# Altium PCB Copy of Card вариант 10.0_04_18_RUSST.PcbDoc
Units mm, origin at the board's own origin, x right, y up, seen from the top; angles counter-clockwise.
Board outline 105 x 55 mm, 2 copper layers (Top Layer, Bottom Layer); 41 components, 24 nets, 233 pads, 51 vias.
Unrouted connection lines stored in the file: 1.
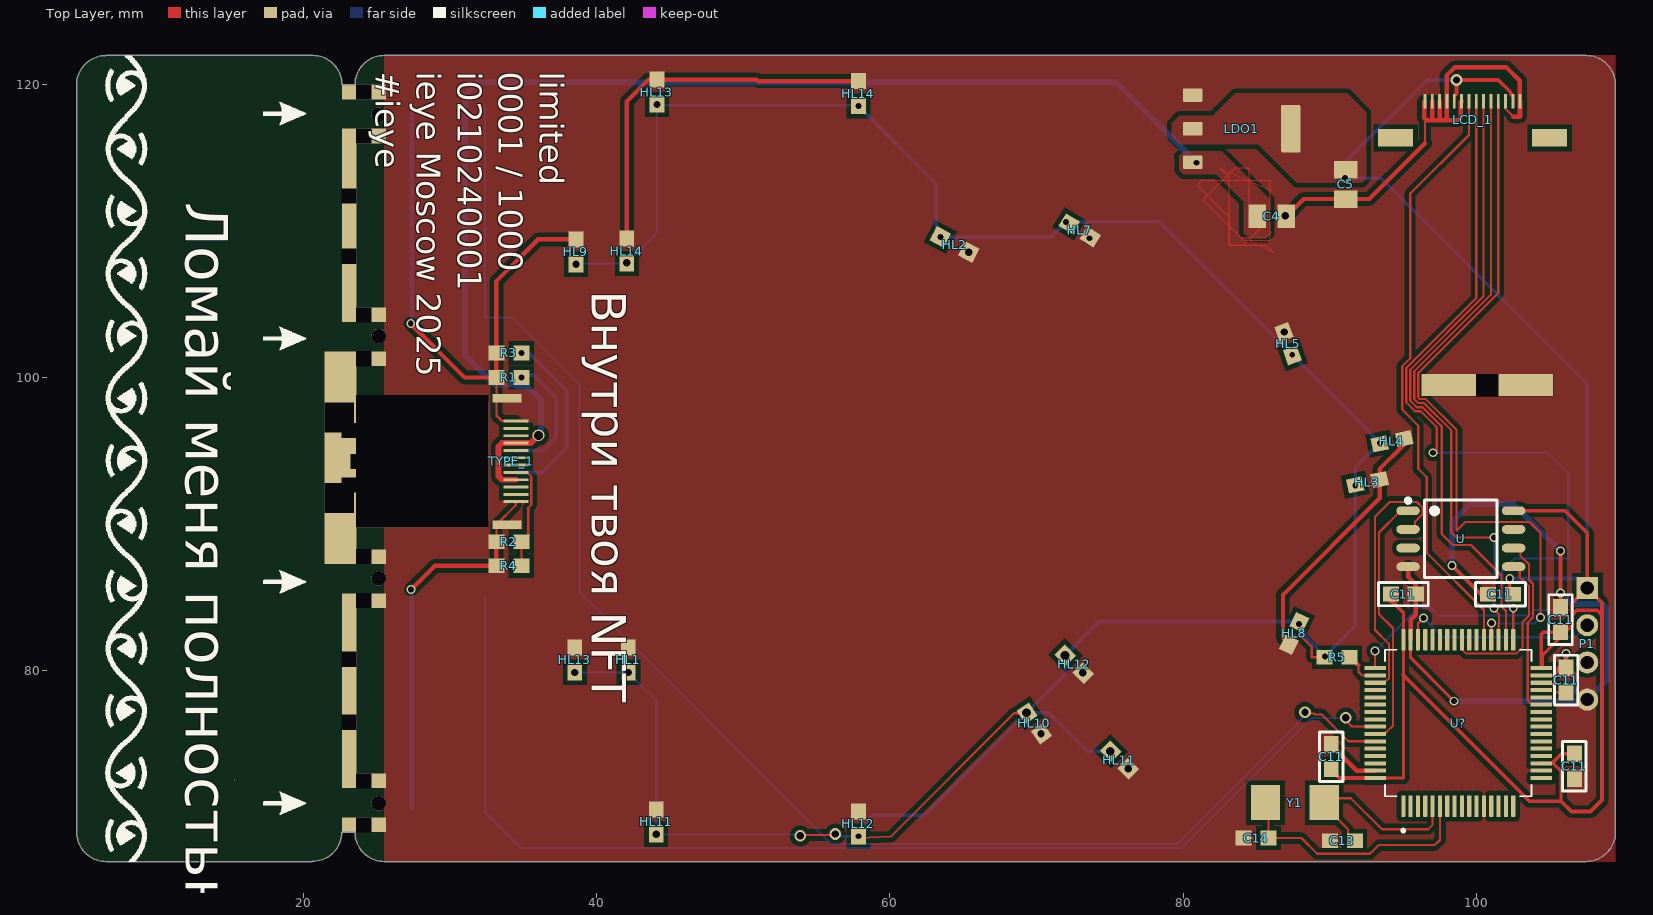
[diagram p0: Top Layer view]
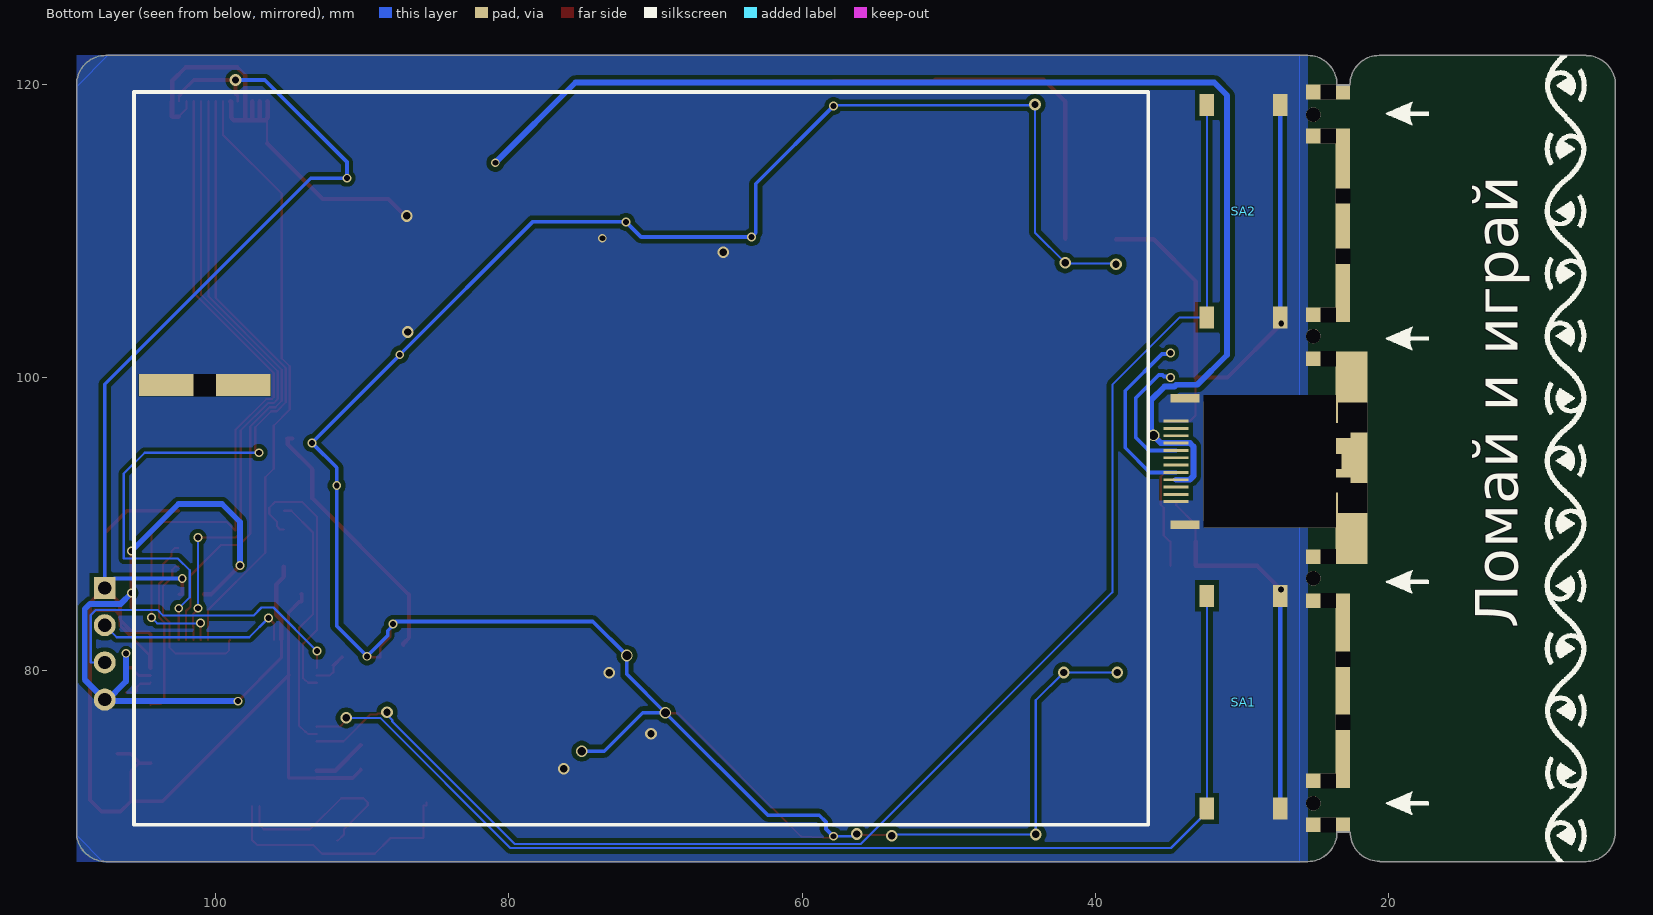
[diagram p1: Bottom Layer view, seen from below]

## Layer stack, top to bottom
Top Solder: solder mask 0.0102, Solder Resist, Dk 3.5
Top Layer: signal copper 0.0356
Dielectric 1: dielectric 0.32, FR-4, Dk 4.8
Bottom Layer: signal copper 0.0356
Bottom Solder: solder mask 0.0102, Solder Resist, Dk 3.5

## Board outline
6.51,67 20.59,67 20.6,67.01 ccw(c20.6,69.01) 22.6,69.01 22.6,69 23.5,69 ccw(c25.5,69) 25.5,67 107.5,67 ccw(c107.5,69) 109.5,69 109.5,120 ccw(c107.5,120) 107.5,122 25.5,122 ccw(c25.5,120) 23.5,120 22.6,120 22.615,120 ccw(c20.615,120) 20.615,122 6.51,122 6.5,121.99 ccw(c6.5,119.99) 4.5,119.99 4.5,69.01 4.51,69 ccw(c6.51,69)

## Design rules (kind name [scope] priority, off if disabled: settings)
Clearance [All] p1: gap=0.125 ignorepadtopadclearanceinfootprint=TRUE except(0: Arc-Hole Track-Hole SMDPad-Hole THPad-Hole Via-Hole Fill-Hole Poly-Hole Region-Hole Text-Hole; 0.25: Arc-Fill Arc-Region Track-Fill Track-Region SMDPad-Fill SMDPad-Region THPad-Fill THPad-Region Via-Fill Via-Region Fill-Fill Fill-Region Poly-Region Region-Region; 0.3: Arc-Poly Track-Poly SMDPad-Poly THPad-Poly Via-Poly Fill-Poly Poly-Poly)
PlaneClearance [All] p1: clearance=1
PolygonConnect [All] p1: connectstyle=Direct reliefconductorwidth=0.254 reliefentries=4 polygonreliefangle="90 Angle" airgapwidth=0.254
RoutingVias [All] p1: holewidth=0.4 width=0.6 viastyle="Through Hole" minholewidth=0.4 minwidth=0.6 maxholewidth=0.4 maxwidth=0.7
SMDNeckDown [All] p1: percent=75.000
SolderMaskExpansion [All] p1: expansion=0.025 istentingtop=FALSE
Width GND [InNet('GND')] p1: maxlimit=0.6 minlimit=0.15 preferedwidth=0.4 toplayer_prefwidth=0.3 minimp=50.000000 maximp=50.000000 favimp=50.000000
Width 3V3 [InNet('3V3')] p2: maxlimit=0.25 minlimit=0.15 preferedwidth=0.25 minimp=50.000000 maximp=50.000000 favimp=50.000000
Width VCC [InNet('VCC')] p3: maxlimit=0.4 minlimit=0.15 preferedwidth=0.4 bottomlayer_minwidth=0.4 minimp=50.000000 maximp=50.000000 favimp=50.000000
Width [All] p4: maxlimit=2 minlimit=0.15 preferedwidth=0.15 minimp=50.000000 maximp=50.000000 favimp=50.000000
29 further rules are at their usual default settings.

## Classes and differential pairs
component class "CardNFTHardware_based on stm32f722": C4 C5 C11 C13 C14 HL1 HL2 HL3 HL4 HL5 HL7 HL8 HL9 HL10 HL11 HL12 HL13 HL14 LCD_1 LDO1 P1 R1 R2 R3 R4 R5 SA1 SA2 TYPE_1 U U? Y1

## Components (designator, comment, footprint, x,y, rotation, side; value= is the part's Value field where it differs from the comment)
C4 "Capacitor" C0805 86.05,111.025 r0 top value=10uF
C5 "Capacitor" C0805 91.1,113.2 r270 top value=10uF
C11 "100nF" C0603 106.7,73.5 r270 top
C11 "4U7" C0603 101.65,85.225 r0 top
C11 "4U7" C0603 90.1,74.15 r270 top
C11 "4U7" C0603 106.125,79.373 r90 top
C11 "4U7" C0603 95.025,85.25 r180 top
C11 "4U7" C0603 105.75,83.5 r270 top
C13 "22pF" C0603 90.875,68.425 r180 top
C14 "22pF" C0603 84.975,68.6 r180 top
HL1 "Text" LD0603 42.15,80.75 r90 top
HL2 "Text" LD0805 64.412,109.09 r332 top
HL3 "Text" LD0603 92.575,92.875 r12 top
HL4 "Text" LD0603 94.25,95.675 r12 top
HL5 "Text" LD0603 87.171,102.334 r110 top
HL7 "Text" LD0603 72.946,110.059 r328 top
HL8 "Text" LD0603 87.571,82.559 r245 top
HL9 "Text" LD0603 38.575,108.6 r90 top
HL10 "Text" LD0603 69.85,76.425 r305 top
HL11 "Text" LD0603 44.05,69.7 r90 top
HL11 "Text" LD0603 75.651,73.924 r315 top
HL12 "Text" LD0603 57.85,69.575 r90 top
HL12 "Text" LD0603 72.571,80.459 r315 top
HL13 "Text" LD0603 44.1,119.5 r90 top
HL13 "Text" LD0603 38.5,80.75 r90 top
HL14 "Text" LD0603 57.85,119.4 r90 top
HL14 "Text" LD0603 42.05,108.65 r90 top
LCD_1 "LCD_10.12" LCD_1 99.725,118.875 r0 top locked
LDO1 "AMS1117" SOT229P700X180-4N 84,117 r0 top
P1 "Header 4" HDR1X4 107.575,85.665 r270 top locked
R1 "Resistor" R0603 34,100.025 r0 top value=470Om
R2 "Resistor" R0603 34,88.825 r0 top value=470Om
R3 "Resistor" R0603 34,101.7 r0 top value=470Om
R4 "Resistor" R0603 34,87.175 r0 top value=470Om
R5 "Resistor" R0603 90.509,80.941 r0 top value="??? Om"
SA1 "Text" BASS_02 30,78 r90 bottom
SA2 "Text" BASS_02 30,111.5 r90 bottom
TYPE_1 "TYPE-C_18.09" TYPE-C_18.09 32.6,94.25 r270 top locked
U "W25Q32FVSSIG" SOIC127P790X216-8N 98.95,89.025 r0 top
U? "STM32F722RET6" QFP50P1200X1200X160-64N 98.775,76.45 r90 top
Y1 "ABM7-8.000MHZ-8-R80-D2Y-T" NX5032GA 86.4,71.15 r180 top

## Footprints (in the part's own frame and the unit in brackets; to place one, negate y for a bottom-side part, rotate by r counter-clockwise, add the part's x,y. Pads: shape width x height; smd on the part's side, far side on the other; paste and mask are expansions set on the pad)
BASS_02 [mm]
  rect 1.5x1 smd: 1(-7.375,2.375) 1(7.125,2.375) 2(-7.375,-2.625) 2(7.125,-2.625)
C0603 [mm] "1608M"
  rect 1.1x1 smd: 1(-0.85,0) 2(0.85,0)
  silkscreen extent -1.7,-0.8 1.7,0.8, body extent -0.8,-0.4 0.8,0.4, height 0.91
C0805 [mm] "2012M"
  rect 1.2x1.6 smd: 1(-1,0) 2(1,0)
  body extent -1,-0.62 1,0.63, height 1.01
HDR1X4 [mm] "Connector; Header; 4 Position"
  rect 1.5x1.5 hole 0.9: 1(0,0)
  round 1.5 hole 0.9: 2(2.54,0) 3(5.08,0) 4(7.62,0)
LCD_1 [mm]
  rect 0.2x1 smd: 1(-3.225,0) 2(-2.725,0) 3(-2.225,0) 4(-1.725,0) 5(-1.225,0) 6(-0.725,0) 7(-0.225,0) 8(0.275,0) 9(0.775,0) 10(1.275,0) 11(1.775,0) 12(2.275,0) 13(2.775,0) 14(3.275,0)
  rect 2.4x1.2 smd: ""(-5.225,-2.5) ""(5.275,-2.5)
LD0603 [mm]
  rect 1.1x1 smd: 1(-0.85,0) 2(0.85,0)
  body extent -0.8,-0.4 0.8,0.4, height 0.7
LD0805 [mm]
  rect 1.1x1.1 smd: 1(-1.1,0) 2(1.1,0)
  body extent -1,-0.62 1,0.63, height 0.73
NX5032GA [mm]
  rect 2x2.4 smd: 1(-3.225,0.125) 2(0.775,0.125)
QFP50P1200X1200X160-64N [mm]
  rrect25% 1.47x0.28 smd: 1(-5.67,3.75) 2(-5.67,3.25) 3(-5.67,2.75) 4(-5.67,2.25) 5(-5.67,1.75) 6(-5.67,1.25) 7(-5.67,0.75) 8(-5.67,0.25) 9(-5.67,-0.25) 10(-5.67,-0.75) 11(-5.67,-1.25) 12(-5.67,-1.75) 13(-5.67,-2.25) 14(-5.67,-2.75) 15(-5.67,-3.25) 16(-5.67,-3.75) 33(5.67,-3.75) 34(5.67,-3.25) 35(5.67,-2.75) 36(5.67,-2.25) 37(5.67,-1.75) 38(5.67,-1.25) 39(5.67,-0.75) 40(5.67,-0.25) 41(5.67,0.25) 42(5.67,0.75) 43(5.67,1.25) 44(5.67,1.75) 45(5.67,2.25) 46(5.67,2.75) 47(5.67,3.25) 48(5.67,3.75)
  rrect25% 0.28x1.47 smd: 17(-3.75,-5.67) 18(-3.25,-5.67) 19(-2.75,-5.67) 20(-2.25,-5.67) 21(-1.75,-5.67) 22(-1.25,-5.67) 23(-0.75,-5.67) 24(-0.25,-5.67) 25(0.25,-5.67) 26(0.75,-5.67) 27(1.25,-5.67) 28(1.75,-5.67) 29(2.25,-5.67) 30(2.75,-5.67) 31(3.25,-5.67) 32(3.75,-5.67) 49(3.75,5.67) 50(3.25,5.67) 51(2.75,5.67) 52(2.25,5.67) 53(1.75,5.67) 54(1.25,5.67) 55(0.75,5.67) 56(0.25,5.67) 57(-0.25,5.67) 58(-0.75,5.67) 59(-1.25,5.67) 60(-1.75,5.67) 61(-2.25,5.67) 62(-2.75,5.67) 63(-3.25,5.67) 64(-3.75,5.67)
  silkscreen extent -7.44,-5 5,5, body extent -6,-6 6,6, height 1.6
R0603 [mm] "1608M"
  rect 1.1x1 smd: 1(-0.85,0) 2(0.85,0)
  body extent -0.8,-0.4 0.8,0.4, height 0.38
SOIC127P790X216-8N [mm]
  oval 1.6x0.6 smd: 1(-3.6,1.905) 2(-3.6,0.635) 3(-3.6,-0.635) 4(-3.6,-1.905) 5(3.6,-1.905) 6(3.6,-0.635) 7(3.6,0.635) 8(3.6,1.905)
  silkscreen extent -3.82,-2.65 2.47,2.82
SOT229P700X180-4N [mm]
  rrect15% 1.31x0.93 smd: 1(-3.345,2.29) 2(-3.345,0) 3(-3.345,-2.29)
  rrect15% 1.31x3.24 smd: 4(3.345,0)
  body extent -3.5,-3.25 3.5,3.25, height 1.8
TYPE-C_18.09 [mm]
  rect 0.2x1.7 smd: 1(-2.8,1.875) 2(-2.3,1.875) 3(-1.8,1.875) 4(-1.3,1.875) 5(-0.8,1.875) 6(-0.3,1.875) 7(0.2,1.875) 8(0.7,1.875) 9(1.2,1.875) 10(1.7,1.875) 11(2.2,1.875) 12(2.7,1.875)
  rect 0.2x1.7 smd far side: 13(2.7,1.875) 14(2.2,1.875) 15(1.7,1.875) 16(1.2,1.875) 17(0.7,1.875) 18(0.2,1.875) 19(-0.3,1.875) 20(-0.8,1.875) 21(-1.3,1.875) 22(-1.8,1.875) 23(-2.3,1.875) 24(-2.8,1.875)
  rect 0.57x2 all layers, no hole: 25(-4.365,1.275) 26(4.265,1.275)

## Part data
C11 C11 C11 C11 C11 C11 C13 C14: library part Capacitor, Published=18.05.2010, Publisher="Andrew Danich", Type=Конденсатор
HL1 HL2 HL3 HL4 HL5 HL7 HL8 HL9 HL10 HL11 HL11 HL12 HL12 HL13 HL13 HL14 HL14: library part Led-1, Published=03.12.2013, Publisher="Andrew Danich", Type="Индикатор единичный"
LDO1: "1A LOW DROPOUT VOLTAGE REGULATOR SOT-223", Package="SOT-223 Seeed Technology", Availability="Not in stock", Check_prices=https://www.snapeda.com/parts/AMS1117/Advanced+Monolithic+Systems/view-part/?ref=eda, MF="Advanced Monolithic Systems", MP=AMS1117, Price=None, SnapEDA_Link=https://www.snapeda.com/parts/AMS1117/Advanced+Monolithic+Systems/view-part/?ref=snap
P1: "Header, 4-Pin", LatestRevisionDate=17-Jul-2002, LatestRevisionNote="Re-released for DXP Platform.", Publisher="Altium Limited"
SA1 SA2: library part SW-01x-01p, Published=11.04.2014, Publisher="Andrew Danich", Type=Переключатель
U: "FLASH - NOR Memory IC 32Mb _4M x 8_ SPI - Quad I/O, QPI 104MHz 8-SOIC", Package="SOIC-8 Winbond", Availability=Unavailable, MF=Winbond, MP=W25Q32FVSSIG, Price=None, SnapEDA_Link=https://www.snapeda.com/parts/W25Q32FVSSIG/Winbond%20Electronics/view-part/422928/?ref=snap
U?: "ARMÂ® CortexÂ®-M7 STM32F7 Microcontroller IC 32-Bit Single-Core 216MHz 512KB (512K x 8) FLASH 64-LQFP (10x10)", Package="LQFP-64 STMicroelectronics", Check_prices=https://www.snapeda.com/parts/STM32F722RET6/STMicroelectronics/view-part/?ref=eda, MF=STMicroelectronics, MP=STM32F722RET6, SnapEDA_Link=https://www.snapeda.com/parts/STM32F722RET6/STMicroelectronics/view-part/?ref=snap
Y1: "Crystal 22.1184MHz Ã‚Â±20ppm (Tol) Ã‚Â±30ppm (Stability) 18pF FUND 50Ohm 2-Pin Mini-CSMD T/R", Package=None, Availability=Unavailable, MP=ABM7-8.000MHZ-8-R80-D2Y-T, Price=None
C4 C5: SimulationGenericComponent=True
R1 R2 R3 R4 R5: SimulationGenericComponent=True, TC1=0, TC2=0

## Free pads (board coordinates)
  rect 2x9 hole 2 square: 12(22.425,91.8) 12(22.425,97.3)
  rect 1x9 hole 1 square: 12(23.1,76.5) 12(23.1,80.8) 12(23.1,92.7) 12(23.1,96.4) 12(23.1,108.3) 12(23.1,112.4) 12(23.7,94.3)
  rect 3x1 hole 1 square: 12(24.1,69.5) 12(24.1,72.5) 12(24.1,84.8) 12(24.1,87.8) 12(24.1,101.3) 12(24.1,104.3) 12(24.1,116.5) 12(24.1,119.5)
  round 1 hole 1: 12(25.125,70.975) 12(25.125,86.325) 12(25.125,102.85) 12(25.125,117.95)
  oval 9x1 hole 1 square: 12(27.825,92.575) 12(27.875,90.3) 12(27.9,90.85) 12(27.95,91.75) 12(27.95,93.225) 12(27.975,95.175) 12(28,91.35) 12(28,94.4) 12(28,96.075) 12(28,96.925) 12(28.025,94.05) 12(28.075,97.625) 12(28.075,98.3)
  rect 9x9 hole 9 square: 12(28.075,94.3)
  oval 1x9 hole 1 square: 12(32.1,94.3)
  rect 9x1.5 hole 1.5 square: 12(100.75,99.5)

## Via types
v1: diameter 0.6, hole 0.4, Top Layer to Bottom Layer, 30 vias
v2: diameter 0.8, hole 0.5, Top Layer to Bottom Layer, 17 vias
v3: diameter 0.8, hole 0.6, Top Layer to Bottom Layer, 4 vias

## Nets (pads, with @x,y where several pads share a name; then routed paths per layer and width w, separated by ;. In a path a pad name is that pad's centre, name@x,y a point inside that pad or via, vN(x,y) a via of type N, cw(c..) or ccw(c..) an arc to the next point about the centre after c; other vN are vias at no path point)
3V3: C5.1 C11.1@106.7,74.35 C11.2@90.1,73.3 C11.2@94.175,85.25 C11.2@102.5,85.225 C11.2@105.75,82.65 LCD_1.5 LCD_1.13 LDO1.2 LDO1.4 P1.1 U.8 U?.19 U?.32 U?.48 U?.64 | length 141.1
  Top Layer w0.15: LCD_1.5 98.5,119.25 LCD_1.5@98.525,119.25 ; LCD_1.13@102.475,119.25 102.5,119.25 LCD_1.13
  Top Layer w0.21: U?.64 95.025,72.704 95.025,79.731 U?.48 95.025,83.998 ; U?.19 105.243,73.7 105.791,73.152 105.791,71.12 ; U?.32 104.521,80.2 104.521,81.077 106.528,83.083
  Top Layer w0.25: C11.2@90.1,73.3 90.1,73.25 90.65,72.7 U?.64 ; C11.2@94.175,85.25 94.132,85.25 94.132,84.734 94.288,84.734 95.025,83.998 ; 95.025,79.731 103.636,71.12 105.791,71.12 106.502,70.409 107.798,70.409 108.585,71.196 108.585,83.82 ; LCD_1.5@98.525,119.25 98.65,119.375 v2(98.65,120.325) 101.504,120.325 102.35,119.479 102.35,119.375 LCD_1.13@102.475,119.25 ; v1(102.286,86.309) 102.286,85.225 C11.2@102.5,85.225 ; U.8 106.053,90.93 107.575,89.408 P1.1 ; U?.19 104.46,73.715 105.19,73.715 105.825,74.35 C11.1@106.7,74.35 ; U?.32 104.445,82.504 104.591,82.65 105.75,82.65 105.75,82.7 106.538,83.488 106.538,84.628 P1.1 ; 106.528,83.083 106.528,83.82 106.858,84.15 108.255,84.15 108.585,83.82 ; P1.1 108.585,84.655 108.585,83.82
  Bottom Layer w0.25: v2(98.65,120.325) 96.65,120.325 91.05,114.725 v1(91.05,113.625) 93.518,113.625 107.575,99.568 P1.1 106.931,86.309 v1(102.286,86.309)
GND: C4.2 C5.2 C11.1@90.1,75 C11.1@95.875,85.25 C11.1@100.8,85.225 C11.1@105.75,84.35 C11.2@106.7,72.65 C11.2@106.125,80.223 C13.2 C14.2 HL1.2 HL2.2 HL3.2 HL4.2 HL5.2 HL7.2 HL8.2 HL9.2 HL10.2 HL11.2 HL12.2 HL13.2 HL14.2 LCD_1.1 LCD_1.2 LCD_1.3 LCD_1.4 LCD_1.6 LCD_1.12 LCD_1.14 LDO1.1 P1.4 R1.1 R2.1 R3.1 R4.1 SA1.2 SA2.2 TYPE_1.1 TYPE_1.12 TYPE_1.13 TYPE_1.24 TYPE_1.25 TYPE_1.26 U.4 U?.12 U?.18 U?.31 U?.47 U?.63 | length 205.2
  Top Layer w0.15: R2.1 33.15,89.992 34.468,91.31 34.468,91.55 TYPE_1.12 ; R1.1 33.15,97.428 33.528,97.05 TYPE_1.1 ; 96.5,116.007 LCD_1.1 ; LCD_1.12 102,118.364 102.539,117.825
  Top Layer w0.21: U?.47 95.525,80.903 v1(98.487,77.941) ; U?.31 105.278,79.7 105.588,80.01 105.588,80.223 C11.2@106.125,80.223
  Top Layer w0.3: v1(27.3,103.7) 30.975,100.025 R1.1 R3.1 33.15,106.604 35.996,109.45 HL9.2 ; v1(27.325,85.55) 28.95,87.175 R4.1 R2.1 ; HL14.2@42.05,109.5 42.05,118.872 43.528,120.35 44.1,120.35 50.902,120.35 51.002,120.25 HL14.2@57.85,120.25 ; v1(73.625,109.525) 73.625,109.566 HL7.2 ; C4.2 88.225,112.2 C5.2 92.693,112.2 96.5,116.007 ; HL8.2 87.212,81.862 86.817,82.257 86.817,85.192 93.421,91.796 93.421,93.052 HL3.2 93.406,93.777 95.081,95.452 HL4.2 95.13,95.862 HL4.2@94.765,95.862 ; C11.1@90.1,74.95 91.85,73.2 U?.63 ; U.4 95.35,86.428 95.875,85.903 95.875,85.25 95.875,83.84 95.525,83.49 U?.47 ; LCD_1.1 96.45,118.825 96.45,117.751 96.626,117.575 96.95,117.575 ; LCD_1.2 97,117.625 96.95,117.575 ; LCD_1.3 97.5,117.688 97.387,117.575 ; v1(98.349,87.198) 100.322,85.225 C11.1@100.8,85.225 ; LCD_1.6 98.95,118.825 98.95,117.751 98.774,117.575 97.824,117.575 ; 102.539,117.825 102.975,117.825 ; LCD_1.14 103,117.85 102.975,117.825 ; C11.1@105.75,84.35 v1(105.75,85.319) v1(105.75,88.189) ; v1(106.121,81.204) 106.125,81.2 C11.2@106.125,80.223 ; 96.95,117.575 97.387,117.575 ; 97.387,117.575 97.5,117.575 97.824,117.575 ; 97.824,117.575 98,117.751 LCD_1.4 98,119.916 97.975,119.941 97.975,120.632 98.527,121.183 102.057,121.183 102.975,120.266 102.975,117.825
  Bottom Layer w0.3: SA1.2@27.375,70.625 SA1.2@27.375,85.125 ; SA2.2@27.375,104.125 SA2.2@27.375,118.625 ; P1.4@107.471,77.941 P1.4
  Bottom Layer w0.4: v1(98.349,87.198) 98.349,90.17 99.568,91.389 102.55,91.389 v1(105.75,88.189) ; v1(98.487,77.941) 107.471,77.941 106.121,79.292 v1(106.121,81.204) ; v1(105.75,85.319) 106.487,84.582 108.585,84.582 108.941,84.226 108.941,79.411 P1.4
  other v2: 76.25,73.325 70.3,75.725 73.15,79.875 86.9,103.125 65.375,108.575 86.975,111.05
NetC11_1: C11.1@106.125,78.523 U?.30 | length 2.1
  Top Layer w0.15: U?.30 104.51,79.135 105.147,79.135 105.38,78.902 105.38,78.61 105.468,78.523 C11.1@106.125,78.523
NetC13_1: C13.1 U?.5 Y1.1 | length 13.3
  Top Layer w0.15: C13.1 91.675,68.425 91.25,68.85 91.25,69.2 89.625,70.825 Y1.1 89.922,71.322 91.447,71.322 93.569,69.2 96.725,69.2 97.025,69.5 U?.5
NetC14_1: C14.1 U?.6 Y1.2 | length 17.5
  Top Layer w0.112: Y1.2@85.625,70.825 Y1.2@85.825,70.825
  Top Layer w0.15: Y1.2@85.625,70.825 Y1.2 ; Y1.2@85.825,70.825 C14.1 88.075,68.6 89.15,67.525 92.75,67.525 93.35,68.125 97.175,68.125 97.525,68.475 U?.6
NetHL1_1: HL1.1 HL2.1 HL3.1 HL4.1 HL5.1 HL7.1 HL8.1 HL9.1 HL10.1 HL11.1 HL12.1 HL13.1 HL14.1 R5.1 | length 189
  Top Layer w0.15: v2(53.875,68.75) 53.938,68.813 56.213,68.813 v2(56.275,68.875) ; HL12.1@57.775,68.6 57.855,68.604 60.046,68.7 68.467,77.121 HL10.1 ; v1(72.013,110.642) 72.093,110.642 HL7.1 ; HL8.1 87.93,83.23 v1(87.9,83.2) 88.076,83.024 88.076,82.332 88.773,81.636 88.773,80.941 R5.1 89.675,80.957 v1(89.675,81)
  Top Layer w0.254: HL14.1@42,107.75 HL14.1@42.05,107.8 ; HL12.1@57.7,68.85 HL12.1@57.775,68.6
  Bottom Layer w0.15: v2(38.5,79.9) v2(42.15,79.9) 44.05,78 v2(44.05,68.85) 53.775,68.85 v2(53.875,68.75) ; v2(38.575,107.75) 38.625,107.8 42,107.8 v2(42.05,107.85) 44.1,109.9 v2(44.1,118.65) 44.15,118.6 57.8,118.6 v1(57.85,118.55) ; v2(56.275,68.875) 56.425,68.725 v1(57.85,68.725)
  Bottom Layer w0.254: v1@57.85,68.7 58.371,69.221 58.371,69.696 58.825,70.15 62.325,70.15 v3(69.325,77.15) ; v1(57.85,118.55) 63.155,113.245 63.155,109.892 v1(63.441,109.606) 70.978,109.606 v1(72.013,110.642) 78.383,110.642 v1(87.45,101.575) 87.45,101.55 93.425,95.575 v1(93.425,95.55) 91.75,93.875 v1(91.75,92.65) 91.75,83.075 v1(89.675,81) ; v3(75.025,74.525) 73.487,74.525 70.862,77.15 v3(69.325,77.15) ; 87.6,83.375 v1@87.725,83.375 ; v1@89.741,80.934 88.259,82.416 88.259,82.748 87.9,83.106 v1(87.9,83.2) v1@87.725,83.375 ; v3(69.325,77.15) 71.95,79.775 v3(71.95,81.05) 74.275,83.375 v1@87.725,83.375
NetLCD_1_7: LCD_1.7 U?.37 | length 40.9
  Top Layer w0.15: LCD_1.7 99.5,116.575 95.5,112.575 95.5,101.338 94.95,100.788 94.95,97.841 96.05,96.741 96.05,93.794 96.625,93.219 96.625,88.067 100.525,84.167 U?.37
NetLCD_1_8: LCD_1.8 U?.33 | length 52.5
  Top Layer w0.15: v1@97.3,94.894 97.3,96.639 96.214,97.725 95.825,97.725 95.225,98.325 95.225,100.675 100,105.45 LCD_1.8 ; U?.33 v1(102.525,84.277)
  Bottom Layer w0.15: v1(97.053,94.894) 104.851,94.894 106.274,93.472 106.274,87.681 102.591,87.681 101.778,86.868 101.778,85.024 v1(102.525,84.277)
NetLCD_1_9: LCD_1.9 U?.34 | length 42.5
  Top Layer w0.15: LCD_1.9 100.5,105.561 95.5,100.561 95.5,98.439 95.939,98 96.328,98 97.65,96.678 97.65,89.35 98.405,88.595 99.644,88.595 101.727,86.512 101.727,84.387 102.025,84.089 U?.34
NetLCD_1_10: LCD_1.10 U?.35 | length 43.1
  Top Layer w0.15: LCD_1.10 101,105.672 95.775,100.447 95.775,98.553 96.053,98.275 96.442,98.275 98.3,96.417 98.3,89.45 98.647,89.103 v1(101.219,89.103) ; v1(101.219,84.277) 101.219,84.197 101.55,83.866 101.55,83.07 101.525,83.045 U?.35
  Bottom Layer w0.15: v1(101.219,84.277) v1(101.219,89.103)
NetLCD_1_11: LCD_1.11 U?.36 | length 49.6
  Top Layer w0.15: U?.36 101.037,82.132 101.037,83.265 v1(101.05,83.277) ; LCD_1.11 101.5,105.783 96.05,100.333 96.05,98.667 96.167,98.55 96.556,98.55 98.65,96.456 98.65,89.575 99.245,90.17 103.632,90.17 104.394,89.408 v1(104.394,83.642)
  Bottom Layer w0.15: v1(101.05,83.277) 101.08,83.247 103.999,83.247 v1(104.394,83.642)
NetP1_2: P1.2 U?.46 | length 13.7
  Top Layer w0.15: U?.46 96.025,83.236 v1(96.406,83.617)
  Bottom Layer w0.15: v1(96.406,83.617) 97.717,82.306 106.756,82.306 P1.2
NetP1_3: P1.3 U?.49 | length 22.6
  Top Layer w0.15: v1(93.091,81.356) 93.091,80.2 U?.49
  Bottom Layer w0.15: v1(93.091,81.356) 96.063,84.328 96.876,84.328 97.426,83.777 103.578,83.777 103.965,84.164 108.19,84.164 108.534,83.82 108.534,80.585 P1.3
NetR1_2: R1.2 TYPE_1.20 | length 8.9
  Bottom Layer w0.254: TYPE_1.20 36.35,95.05 37.225,95.925 37.225,98.625 35.658,100.192 35.404,100.192 35.303,100.091 34.916,100.091 v1(34.85,100.025)
NetR2_2: R2.2 R4.2 TYPE_1.8 | length 8.4
  Top Layer w0.15: TYPE_1.8 35.225,93.55 35.525,93.25 35.525,91.341 35.325,91.141 35.325,89.25 34.9,88.825 R2.2 R4.2 34.85,88
NetR3_2: R3.2 TYPE_1.17 | length 12.2
  Bottom Layer w0.254: TYPE_1.17 36.275,93.55 37.95,95.225 37.95,99.125 35.441,101.634 34.916,101.634 v1(34.85,101.7)
NetR5_2: R5.2 U?.50 | length 2.5
  Top Layer w0.15: 91.969,80.381 91.969,79.933 92.202,79.7 U?.50
  Top Layer w0.25: R5.2 91.409,80.941 91.969,80.381
NetSA1_1: SA1.1 U?.57 | length 80.5
  Top Layer w0.15: v2(91.1,76.8) 91.1,76.624 91.396,76.328 91.396,76.319 91.502,76.212 93.093,76.212 U?.57
  Bottom Layer w0.15: SA1.1@32.375,85.125 32.375,70.625 32.375,70.375 34.825,67.925 79.9,67.925 88.775,76.8 v2(91.1,76.8)
NetSA2_1: SA2.1 U?.59 | length 103.1
  Top Layer w0.15: v2(88.313,77.187) 88.4,77.1 88.938,77.1 89.013,77.025 89.45,77.025 91.275,75.2 U?.59
  Bottom Layer w0.15: SA2.1@32.375,118.625 32.375,104.125 34.225,104.125 38.825,99.525 38.825,85.375 56,68.2 79.6,68.2 87.955,76.555 87.955,76.661 88.313,77.019 v2(88.313,77.187)
NetU?_27: U.6 U?.27 | length 12.3
  Top Layer w0.15: U.6 102.804,88.39 103.012,88.182 103.012,87.865 103.6,87.277 103.6,86.214 103.875,85.939 103.875,83.658 103.51,83.293 103.51,77.998 103.743,77.765 104.38,77.765 U?.27
NetU?_40: U.5 U?.40 | length 11.3
  Top Layer w0.15: U?.40 99.09,82.055 99.09,81.418 99.323,81.185 102.727,81.185 103.164,81.621 103.164,83.335 103.6,83.772 103.6,85.783 102.975,86.408 102.975,86.912 102.767,87.12 U.5
NetU?_51: U.2 U?.51 | length 18.4
  Top Layer w0.15: U?.51 93.7,79.2 93.86,79.36 93.902,79.36 94.04,79.498 94.04,81.854 93.097,82.797 93.097,90.522 94.1,91.525 95.962,91.525 96.35,91.137 96.35,90.709 95.826,90.185 95.826,89.868 95.618,89.66 U.2
NetU?_58: U.1 U?.58 | length 17.6
  Top Layer w0.15: U?.58 93.7,75.7 93.86,75.86 93.902,75.86 94.315,76.273 94.315,82.931 93.372,83.874 93.372,89.452 94.85,90.93 U.1
VCC: C4.1 LDO1.3 TYPE_1.4 TYPE_1.9 TYPE_1.16 TYPE_1.21 | length 91.9
  Top Layer w0.4: TYPE_1.9 33.534,93.05 33.3,93.284 33.3,95.316 33.534,95.55 TYPE_1.4 35.5,95.55 v3(36.025,96.075)
  Bottom Layer w0.4: TYPE_1.16 33.544,93.05 33.3,93.294 33.3,95.316 33.534,95.55 TYPE_1.21 35.525,95.55 36.038,96.063 36.2,96.225 36.2,98.475 35.275,99.4 34.591,99.4 34.466,99.525 33.029,99.525 31,101.554 31,119.275 31.875,120.15 75.45,120.15 v1(80.925,114.675)
pads on no net: LCD_1. TYPE_1.2 TYPE_1.3 TYPE_1.5 TYPE_1.6 TYPE_1.7 TYPE_1.10 TYPE_1.11 TYPE_1.14 TYPE_1.15 TYPE_1.18 TYPE_1.19 TYPE_1.22 TYPE_1.23 U.3 U.7 U?.1 U?.2 U?.3 U?.4 U?.7 U?.8 U?.9 U?.10 U?.11 U?.13 U?.14 U?.15 U?.16 U?.17 U?.20 U?.21 U?.22 U?.23 U?.24 U?.25 U?.26 U?.28 U?.29 U?.38 U?.39 U?.41 U?.42 U?.43 U?.44 U?.45 U?.52 U?.53 U?.54 U?.55 U?.56 U?.60 U?.61 U?.62

## Polygon pours and split planes (outlines as drawn)
GND on Top Layer "NONET_L-01_P-001" (solid, pour order 9): 25.5,122.06 25.5,67 109.5,67 109.5,122
VCC on Top Layer "VCC_L01_P000" (solid, pour order 0): 85.9,112.175 82.621,115.454 80.041,115.454 79.693,115.105 79.721,115.077 79.721,114.17 80.017,113.875 82.275,113.875 84.15,112 84.15,109.875 84.475,109.55 85.625,109.55 85.9,109.825
VCC on Top Layer "NONET_L01_P006" (solid, shelved, pour order 6): 86.025,112.8 85.9,112.675 85.9,109.35 84.15,109.35 81.35,112.15 83.55,114.35 84.475,114.35 84.475,111.425 85.5,110.4 84.15,109.05 83.15,109.05 83.15,113.675 82.525,114.3
VCC on Top Layer "NONET_L01_P005" (solid, shelved, pour order 5): 84.025,109.55 85.625,109.55 86,109.925 85.95,109.975 85.95,113.45 81.25,113.45 80.95,113.15 83.15,110.95 83.15,109.05 85.65,109.05 86.175,108.525
3V3 on Top Layer "3V3_L01_P001" (solid, pour order 1): 92.2,113.3 92.5,113.6 92.5,118.125 91.2,119.425 83.575,119.425 82.025,117.875 79.725,117.875 79.225,117.375 79.225,116.4 79.25,116.4 79.725,115.925 85.125,115.925 87.75,113.3
GND on Bottom Layer "NONET_L-01_P-001" (solid, pour order 8): 25.5,122.06 25.5,67 109.5,67 109.5,122
GND on Bottom Layer "NONET_L02_P004" (solid, shelved, pour order 4): 26.025,67 26.025,122 107.375,122 109.5,119.875 109.5,68.8 107.7,67

## Silkscreen, mask and mechanical layers (free items; w line width, h text height)
Top Overlay:
  drawing of 19 lines, arcs and shapes, not listed
  text "не для продажи / 18+   является  /  собственностью /  ООО «ТЕХ ЯДРО»" at 26.593,151.626 h2.8 r270
  text "limited / 0001 / 1000 / i0210240001 / ieye Moscow 2025 / #ieye" at 24.362,120.9 h2.8 r270
  text "Ломай меня полностью" at 11.001,111.995 h5 r270
  text "Внутри твоя NFT" at 38.875,105.95 h4 r270
Bottom Overlay:
  drawing of 22 lines, arcs and shapes, not listed
  text "Ломай и играй" at 10.2,82.9 h5 r270
Top Solder:
  drawing of 132 lines, arcs and shapes, not listed
Mechanical 1:
  lines w0.2: 4.5,69.01 4.5,119.99 cw(c6.5,119.99) 6.5,121.99 ; 4.51,69 ccw(c6.51,69) 6.51,67 20.59,67 ; 6.51,122 20.615,122 cw(c20.615,120) 22.615,120 ; 20.6,67.01 ccw(c20.6,69.01) 22.6,69.01 ; 22.6,69 23.5,69 ccw(c25.5,69) 25.5,67 107,67 107.5,67 ccw(c107.5,69) 109.5,69 109.5,120 ccw(c107.5,120) 107.5,122 25.5,122 ccw(c25.5,120) 23.5,120 22.6,120